# EAGLE board Mk4 Final Panel (EAGLE 9.0.1), part 1 of 18
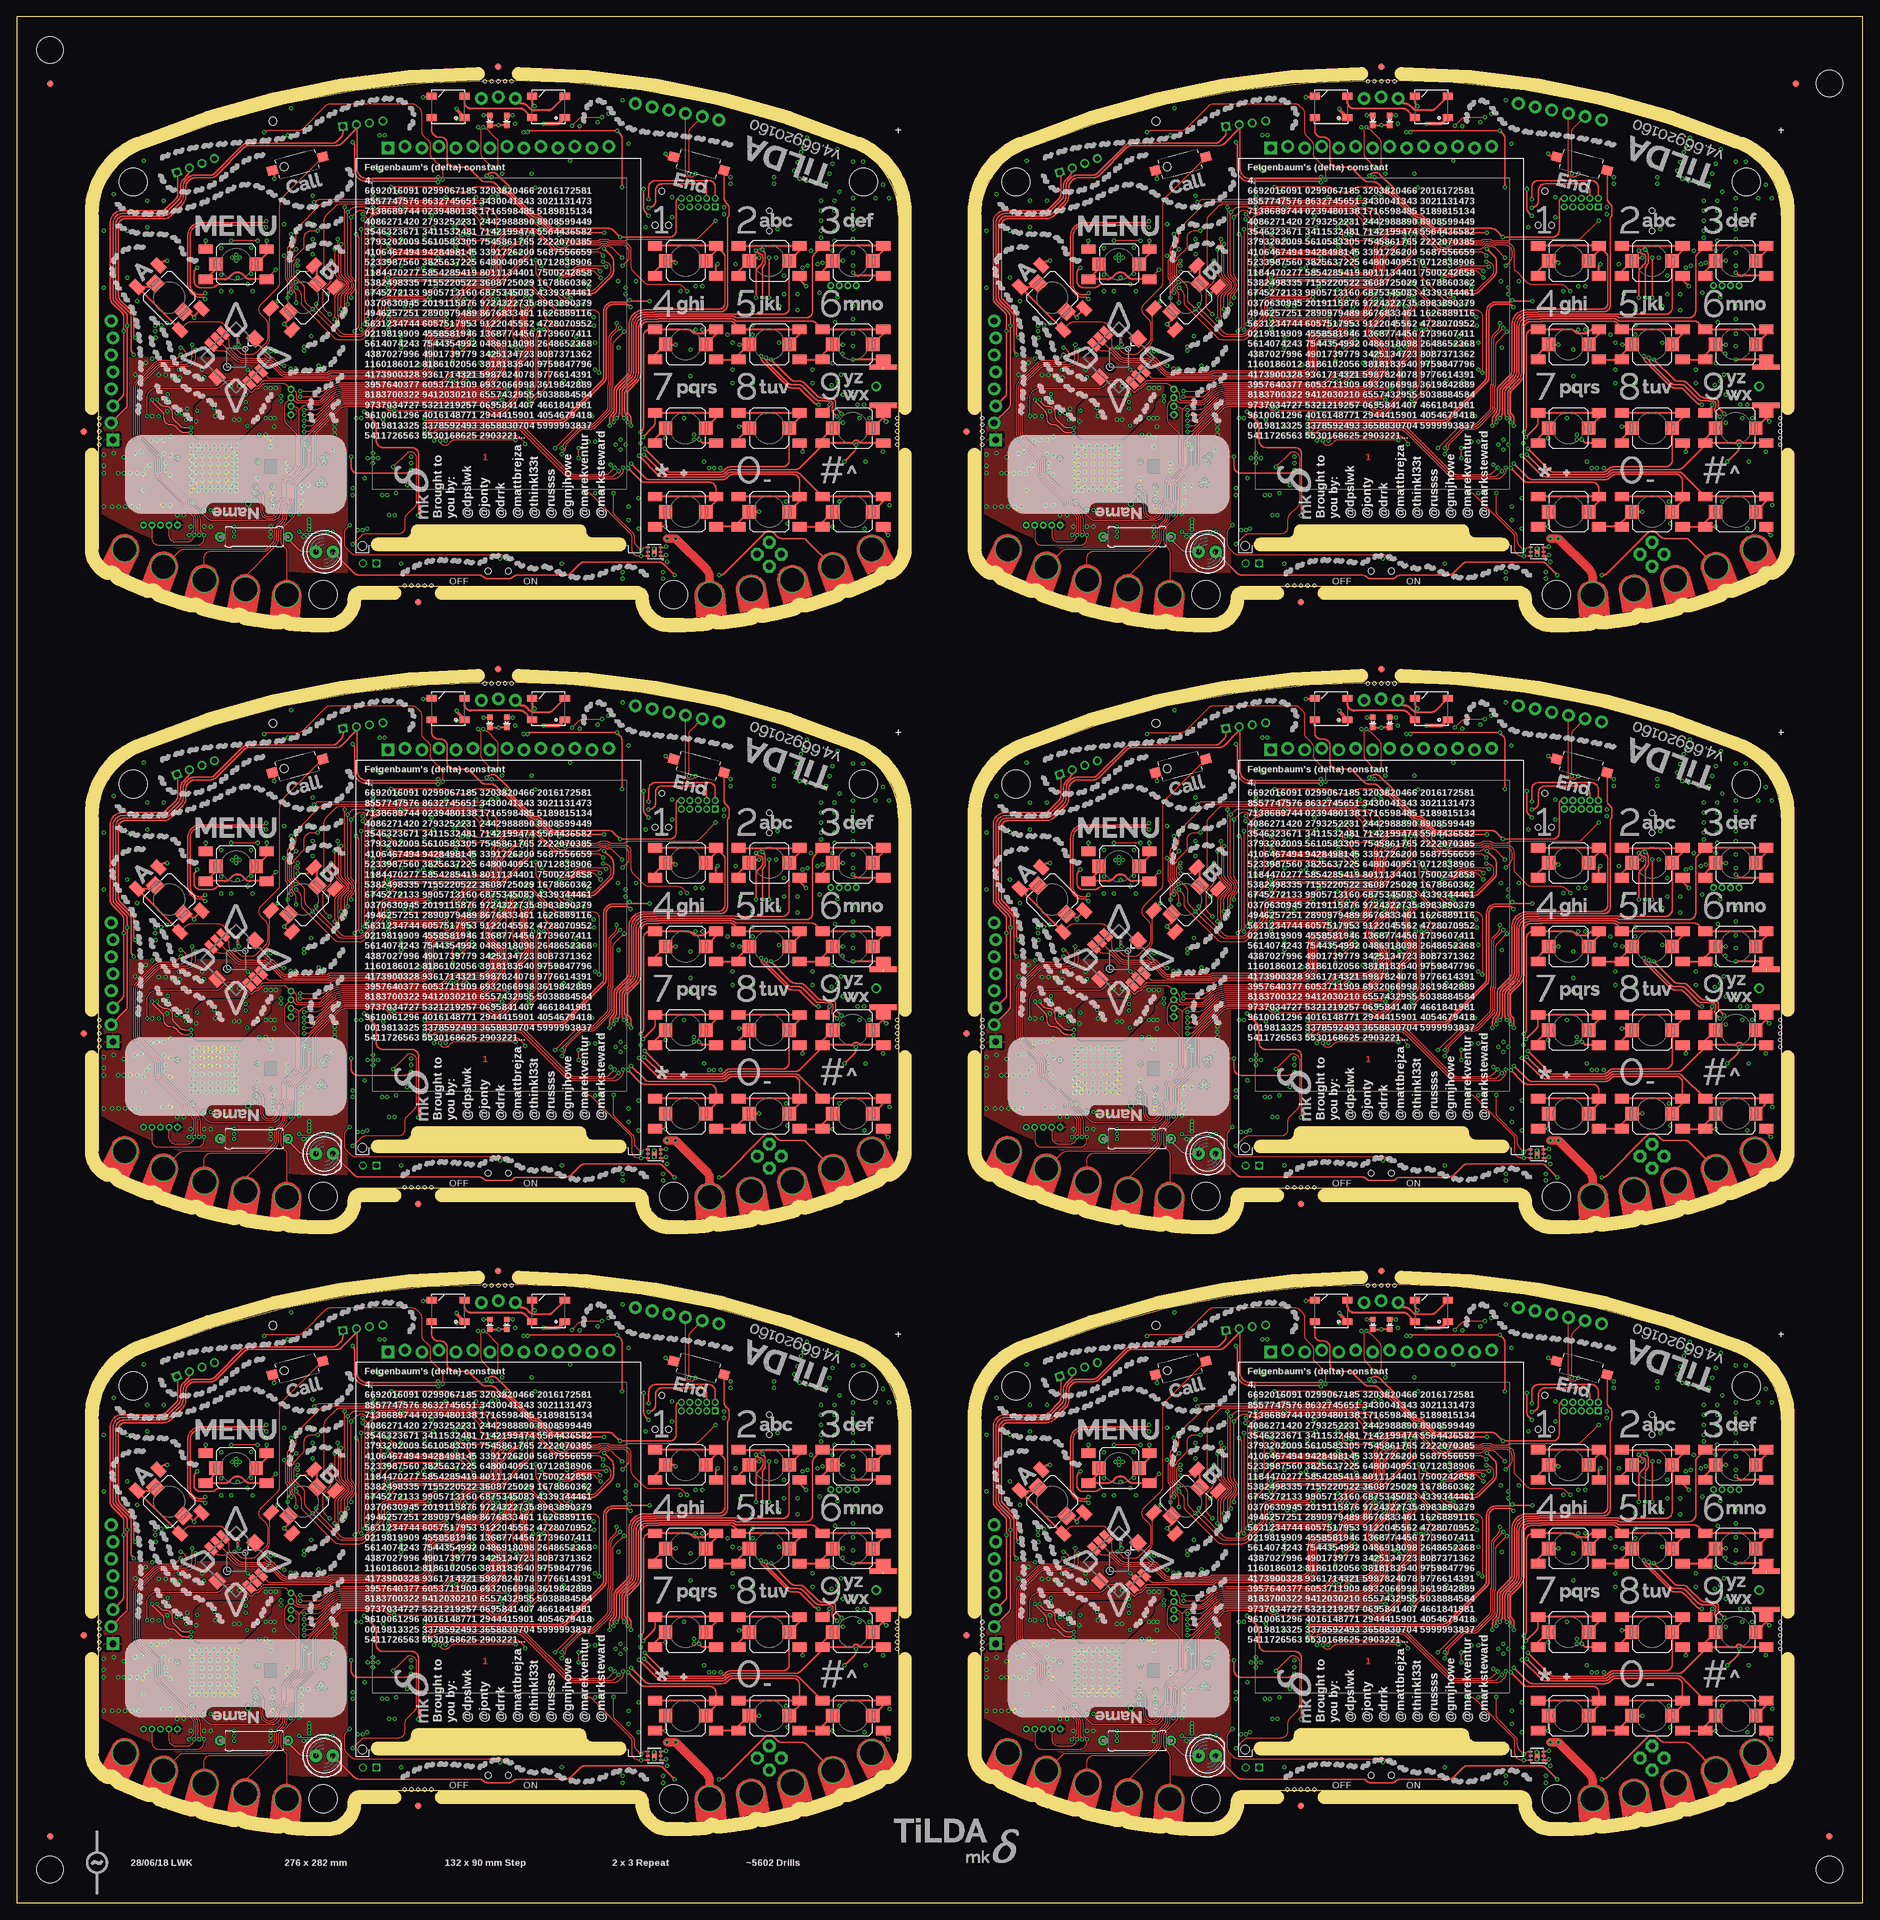
[diagram p0: board, top side]
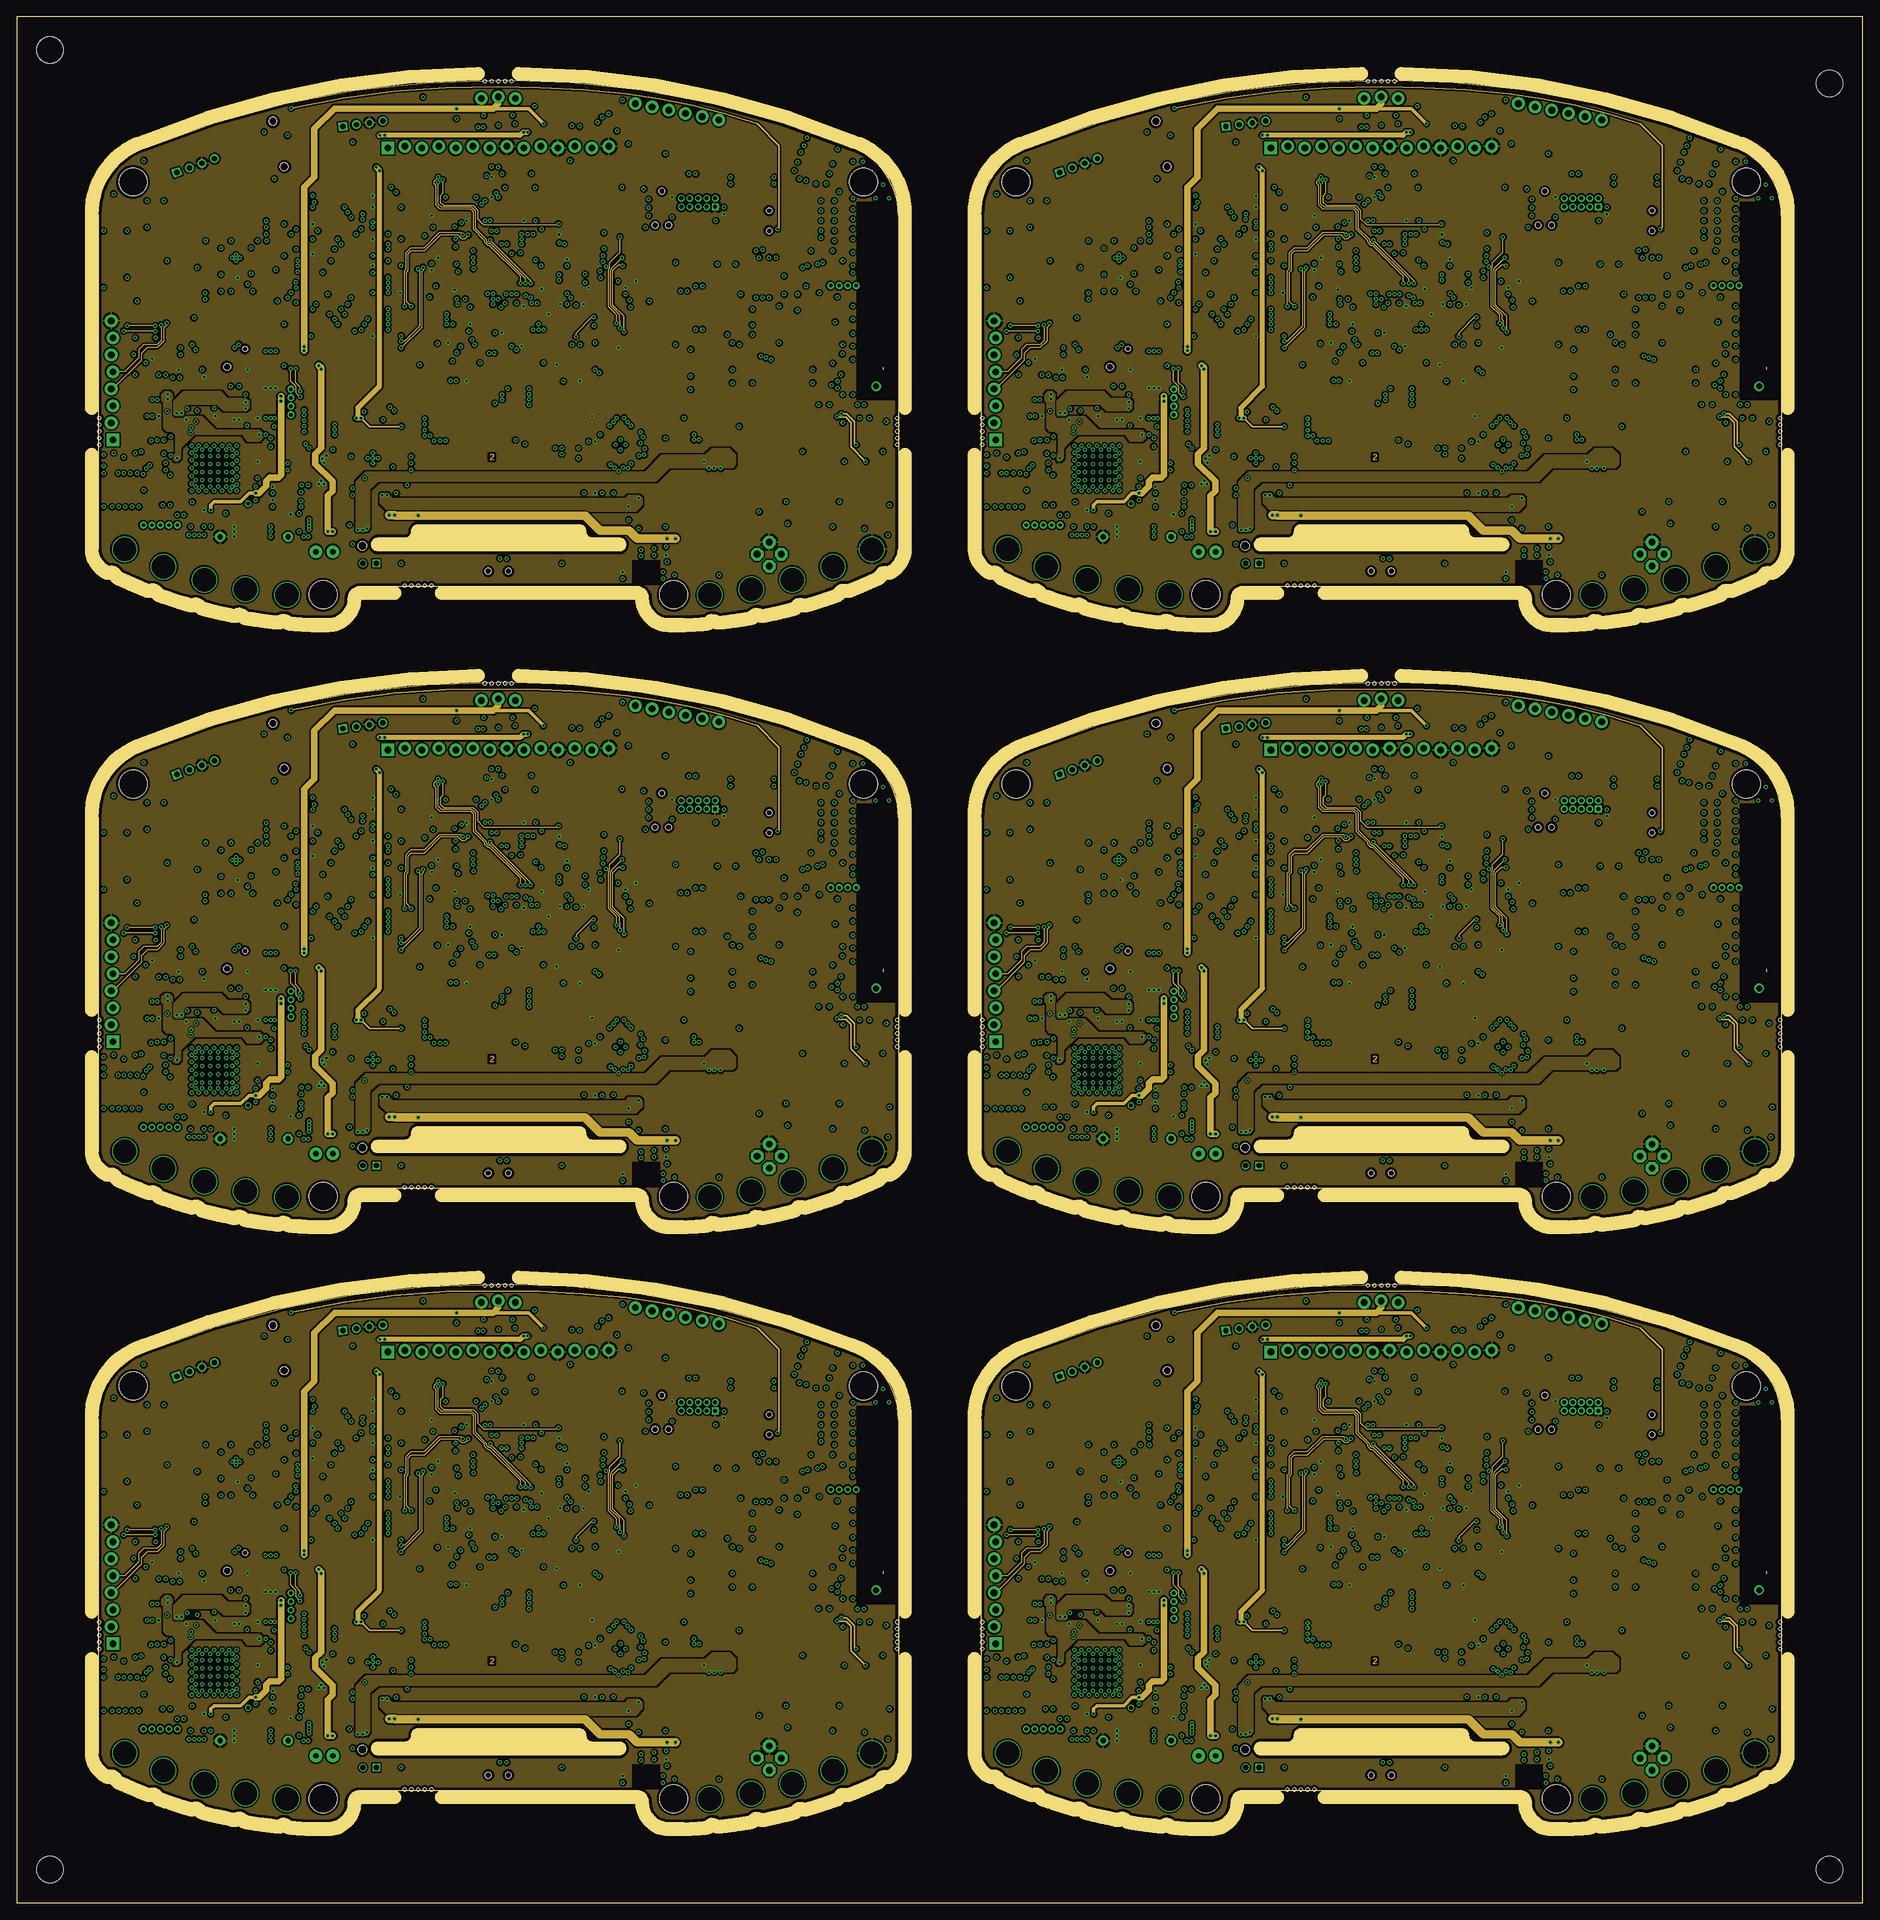
[diagram p1: board, inner layer 3V3@2]
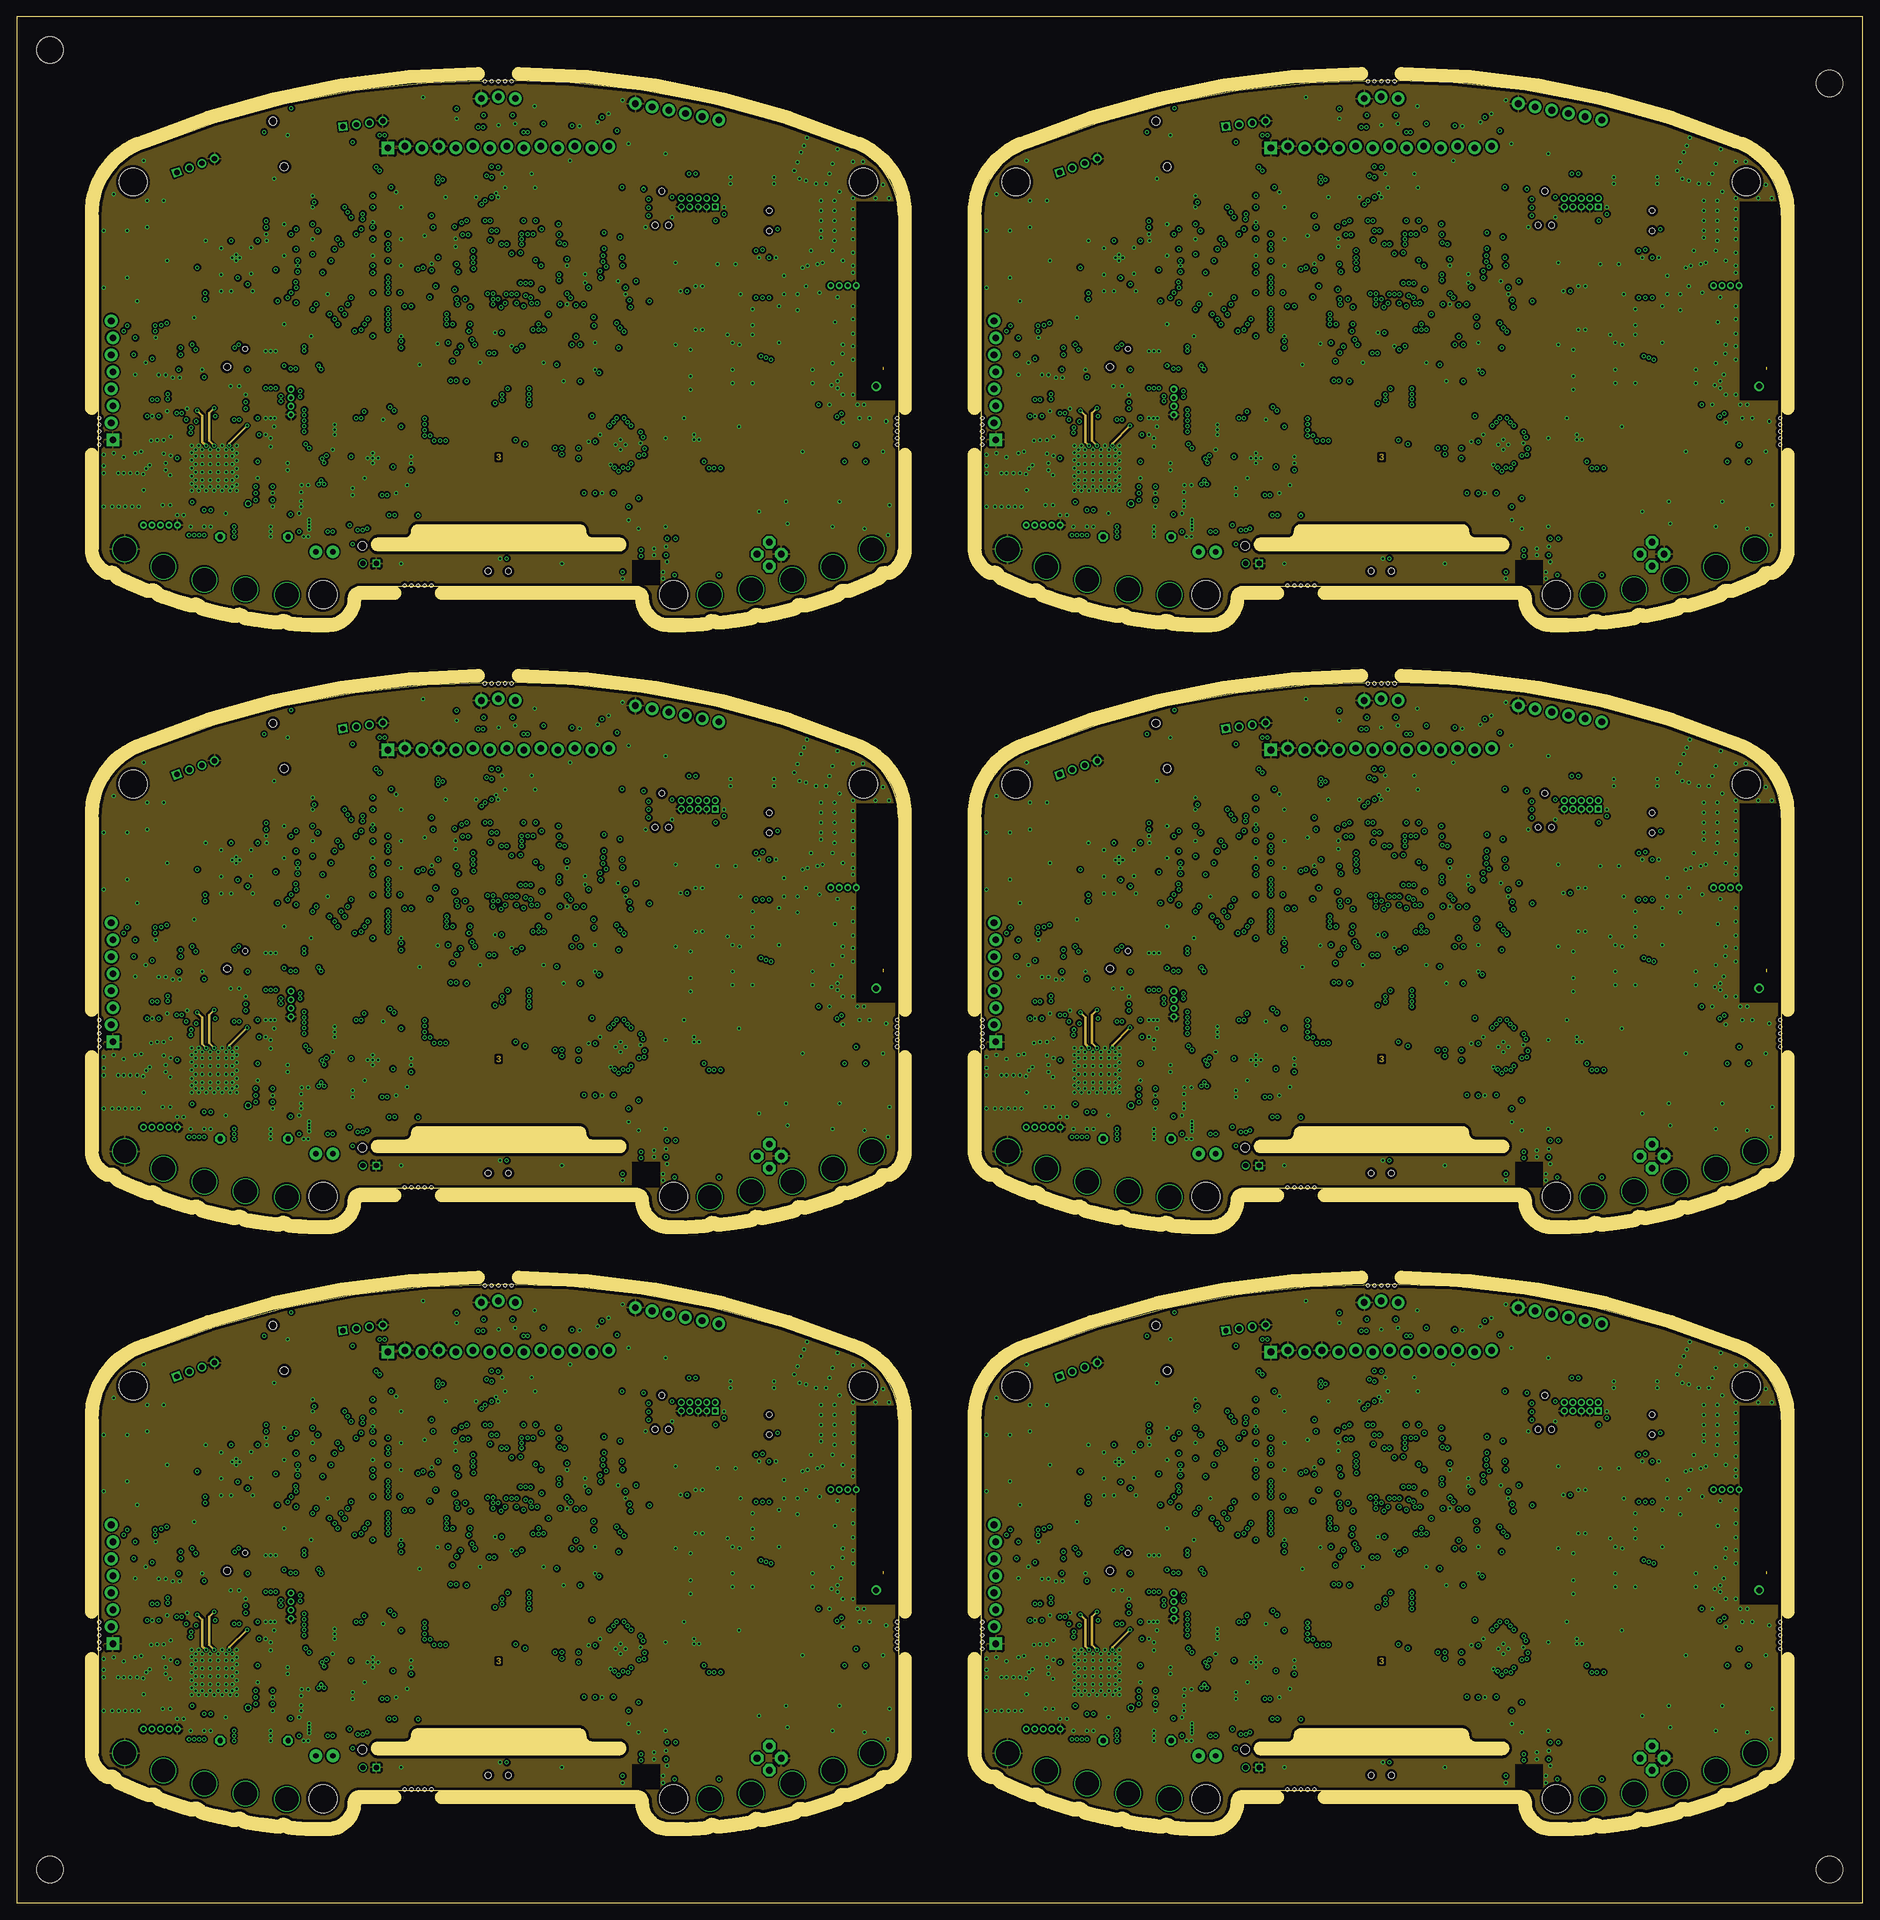
[diagram p2: board, inner layer GND@3]